# Altium PCB InsaneKeyboard.PcbDoc (part 3 of 4)
Units mil, origin at the board's own origin, x right, y up, seen from the top; angles counter-clockwise.
Board outline 7442.83 x 6333.68 mil, 4 copper layers (Top Layer, Int1 (GND), Int2 (GND), Bottom Layer), stack 60.6 mil thick; 288 components, 175 nets, 883 pads, 467 vias.
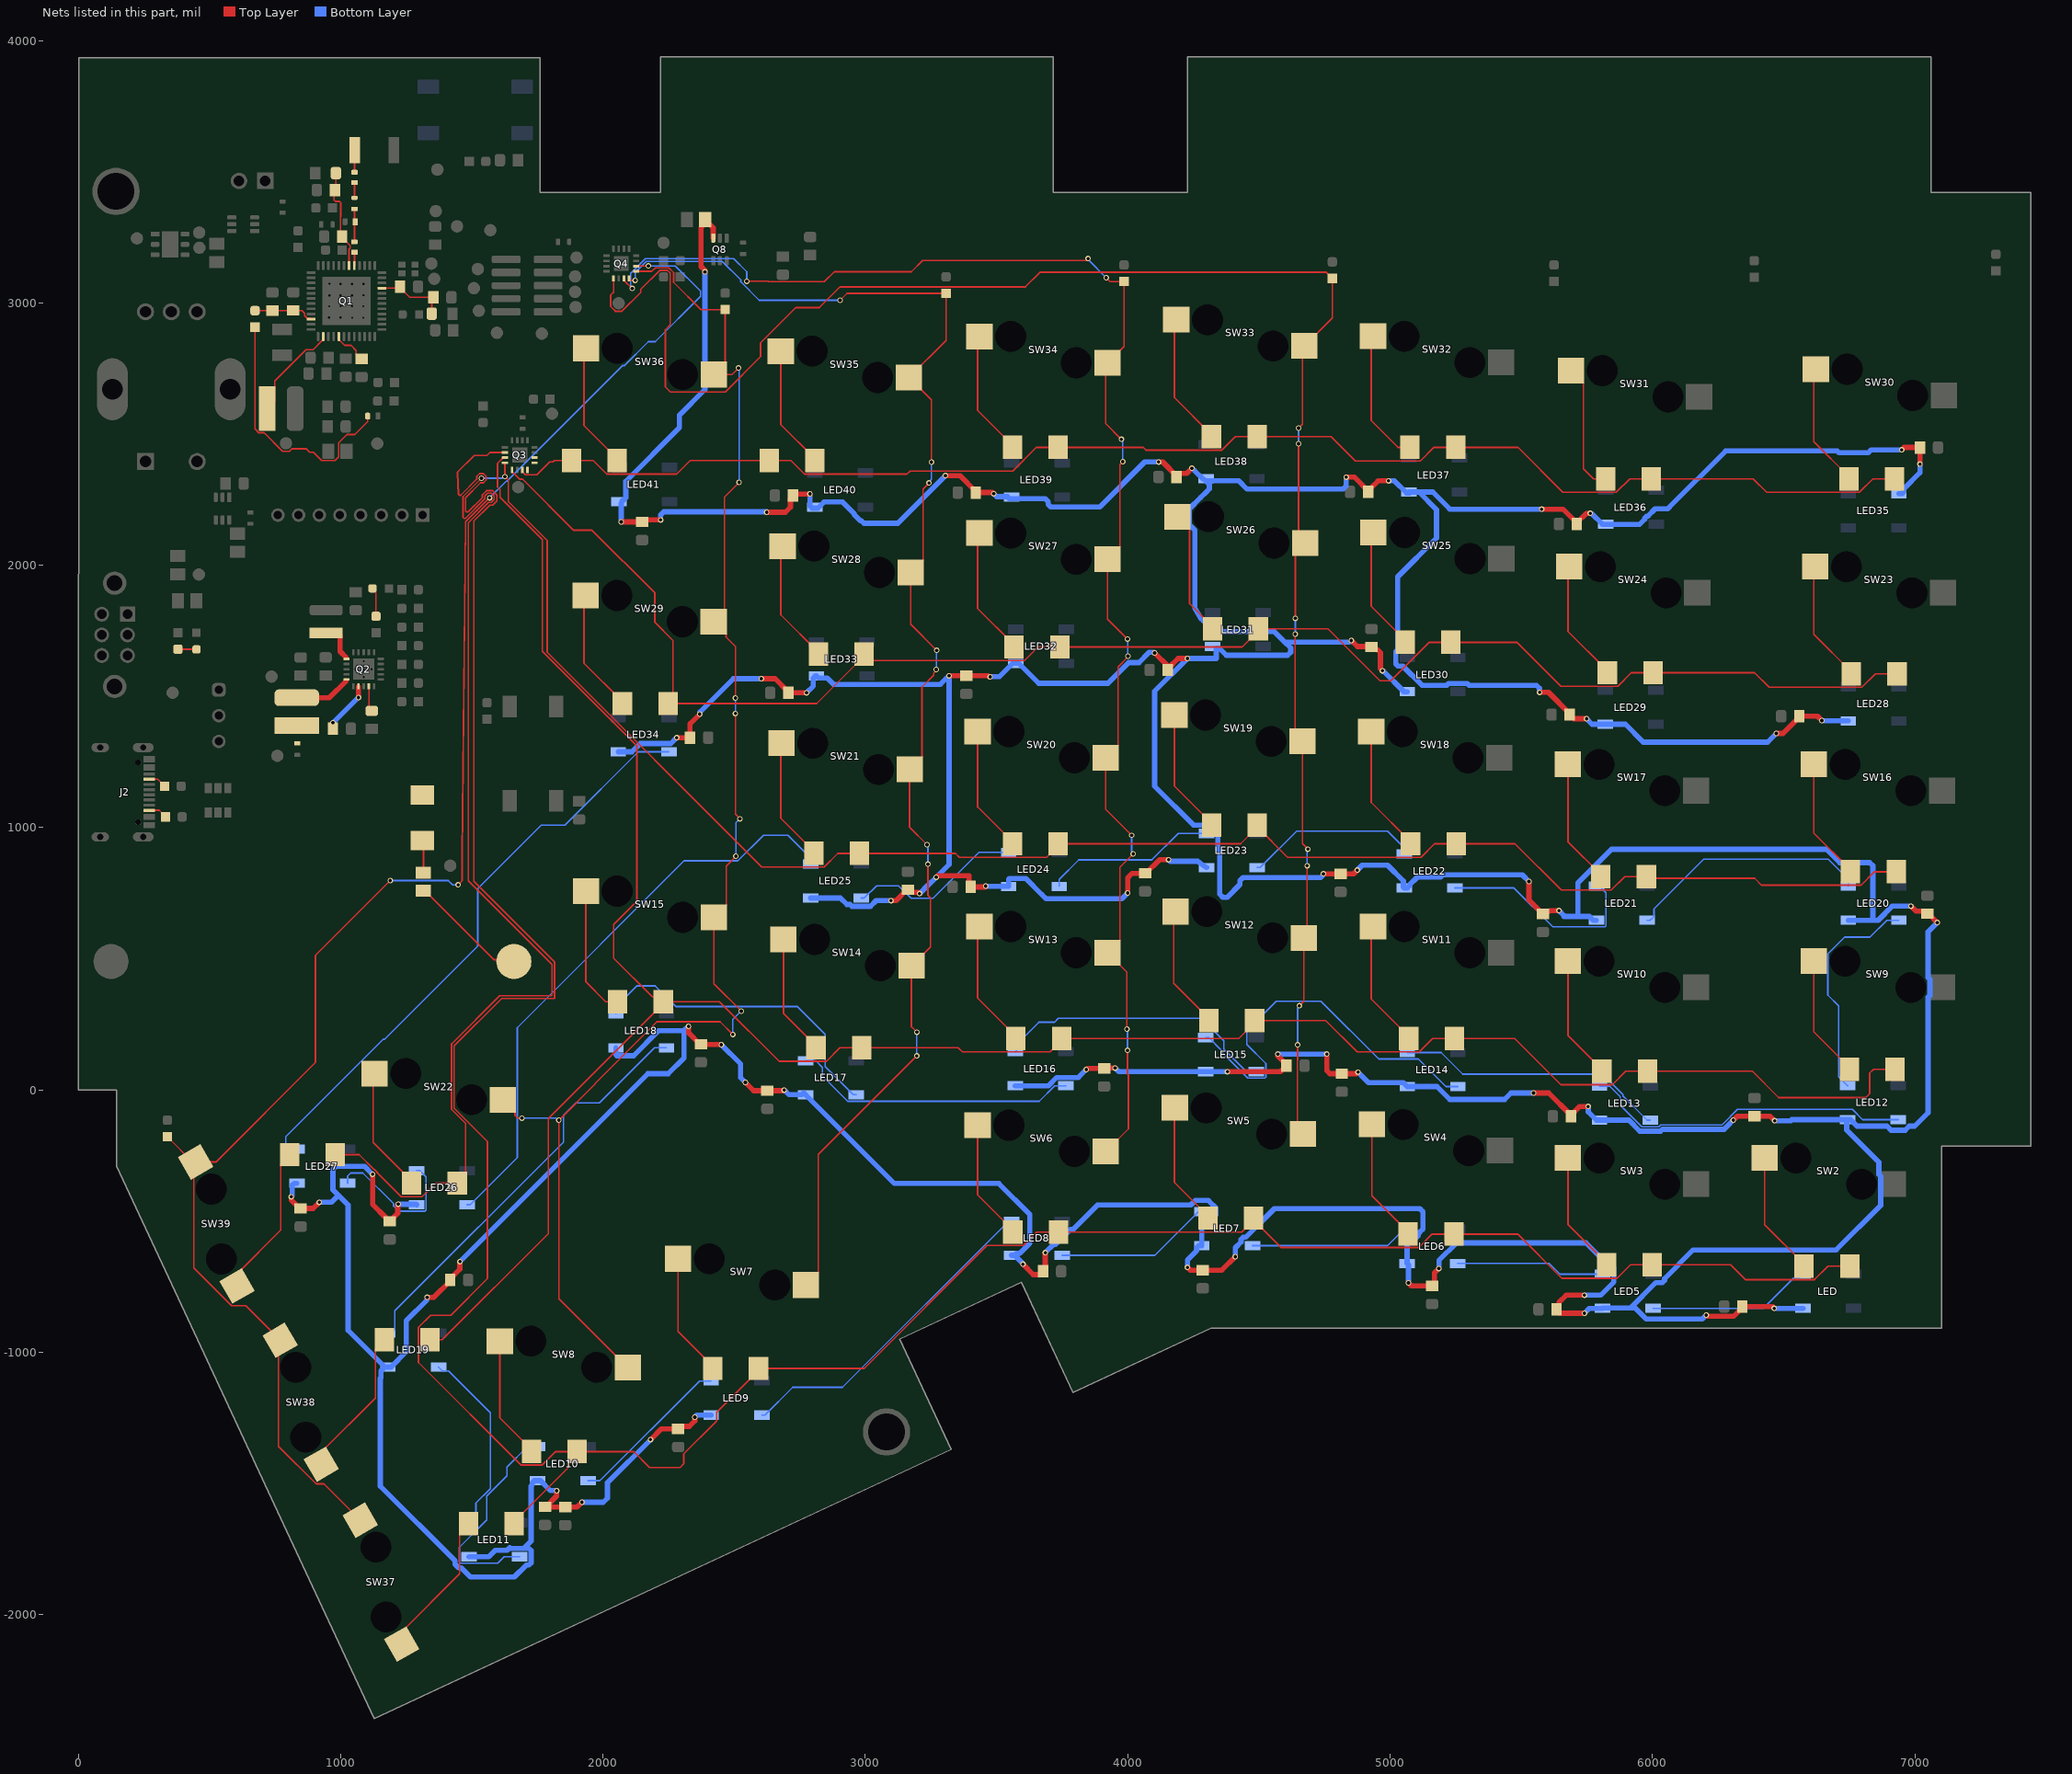
[diagram p5: the nets of this part, all layers, seen from the top]

## Via types
v1: diameter 21, hole 13, Top Layer to Bottom Layer, tented both sides, 292 vias
v2: diameter 21, hole 13, Top Layer to Bottom Layer, 174 vias
v3: diameter 23, hole 13, Top Layer to Bottom Layer, tented both sides, 1 vias

## Nets (pads, with @x,y where several pads share a name; then routed paths per layer and width w, separated by ;. In a path a pad name is that pad's centre, name@x,y a point inside that pad or via, vN(x,y) a via of type N, cw(c..) or ccw(c..) an arc to the next point about the centre after c; other vN are vias at no path point) (continued)
IO_COL_P3: Q4.5 R21.1 SW5.2 SW12.2 SW19.2 SW26.2 SW33.2 | length 7031.6
  Top Layer w6: Q4.5@2040.47,3093.5 2040.47,3041.05 2029.38,3029.96 2029.38,2986.32 2047.32,2968.38 2072.68,2968.38 2144.38,3040.07 2144.38,3052.02 2216.08,3123.72 2246.93,3123.72 2256.22,3114.43 2256.22,2916.17 2237.95,2897.9 2237.95,2679.42 2255.36,2662 2257.34,2660.95 2259.4,2660.95 2466.19,2660.95 2600.59,2795.35 2600.59,2847.9 2735,2982.3 2824.85,2982.3 2903.77,3061.22 3610.27,3061.22 3665.75,3116.71 4756.8,3116.71 R21.1@4780,3093.5 4780,2942.08 4673.92,2836 SW33.2@4672.94,2836 4665.85,2828.91 4665.85,2537.85 v1(4651,2523) ; v1(4638.64,1737.5) 4638.64,1356.16 4665.85,1328.95 4665.85,939.15 v1(4687,918) ; v1(4639,1798) 4639,2047.06 SW26.2@4676.94,2085 ; v1(4648,172) 4648,114.44 4647.31,113.76 4647.31,-147.38 SW5.2@4667.94,-168 ; v1(4651,2463) 4651,2101.94 SW26.2@4671.94,2081 ; v1(4654,321) 4670.94,337.94 SW12.2@4670.94,580 4684,593.06 v1(4684,855)
  Bottom Layer w6: v1(4638.64,1737.5) 4638.82,1737.68 4638.82,1797.82 v1(4639,1798) ; v1(4648,172) 4648,310.94 4654,316.94 v1(4654,321) ; v1(4651,2463) v1(4651,2523) ; v1(4684,855) 4684,910.94 4687,913.94 v1(4687,918)
IO_COL_P4: Q4.7 R22.1 SW6.2 SW13.2 SW20.2 SW27.2 SW34.2 | length 5760.1
  Top Layer w6: Q4.7@2079.84,3093.5 2079.84,3086.81 2111.65,3055 v1(2112,3055) ; v1(2548,3082.5) 2630.03,3082.5 2631.66,3080.87 2843.9,3080.87 2882.03,3119 3175.5,3119 3218,3161.5 v1@3845.5,3161.5 ; SW6.2@3916.83,-233.96 4003,-147.79 4003,57.75 3999,61.75 v1(3999,151) ; v1(3918,3096) 3932.5,3081.5 R22.1@3986,3081.5 3986,2834.08 3923.92,2772 SW34.2@3922.94,2772 3915.84,2764.9 3915.84,2540.16 v1(3976,2480) ; SW13.2@3922.91,522.88 SW13.2@3923.9,522.88 ; v1(3981,2395) 3981,2394.87 3970.11,2383.99 3970.11,2069.1 3923.9,2022.89 SW27.2@3922.92,2022.89 3922.92,1795.08 v1(3999,1719) ; v1(3997,232.16) 3997,449.78 SW13.2@3923.9,522.88 ; v1(4001,1653.35) 4001,1651 3963.04,1613.04 3963.04,1312.26 3916.83,1266.05 SW20.2@3915.84,1266.05 3915.84,1070.16 v1(4015,971) ; v1(4021,900) 3970.11,849.11 3970.11,569.09 SW13.2@3923.9,522.88
  Bottom Layer w6: v1(2112,3055) 2112,3059.06 2105.53,3065.53 2105.53,3112.42 2161.61,3168.5 2498.5,3168.5 2548,3119 v1(2548,3082.5) ; v1(3849.02,3169) 3849.02,3164.98 v1(3918,3096) ; v1(3976,2480) 3976,2475.94 3981,2470.94 v1(3981,2395) ; v1(3997,232.16) 3999,230.16 v1(3999,151) ; v1(3999,1719) 4000,1718 4000,1654.35 v1(4001,1653.35) ; v1(4015,971) 4015,910.06 4021,904.06 v1(4021,900)
IO_COL_P5: Q4.8 R23.1 SW7.2 SW14.2 SW21.2 SW28.2 SW35.2 | length 5578.3
  Top Layer w6: Q4.8@2099.53,3093.5 2099.53,3088.09 2101.65,3085.97 v1(2123.03,3085.97) ; SW7.2@2773.94,-743 2774.92,-743 2821.13,-696.79 2821.13,-244.87 v1(3196,130) ; v1(2904,3010) 2930.5,3036.5 R23.1@3308,3036.5 3308,2857.14 SW35.2@3166.82,2715.96 ; SW35.2@3165.84,2715.96 SW35.2@3166.82,2715.96 ; v1(3196.45,220.55) 3175.94,241.06 SW14.2@3175.94,474 3176.92,474 3248,545.08 3248,732.75 3239,741.75 v1(3239,861) ; v1(3235,935) 3168.94,1001.06 SW21.2@3168.94,1222 3169.92,1222 3216.13,1268.21 3216.13,1536.13 3260.36,1580.36 3260.36,1588.84 3270,1598.48 v1(3270,1602.54) ; v1(3243.05,2313.95) 3220.11,2291.01 3220.11,2019.1 3173.9,1972.89 SW28.2@3172.91,1972.89 3172.91,1775.09 v1(3272,1676) ; v1(3252,2393) 3252,2630.78 SW35.2@3166.82,2715.96
  Bottom Layer w6: v1(2123.03,3085.97) 2123.03,3115.78 2165.75,3158.5 2454.75,3158.5 2525.25,3088 2525.25,3080.5 2595.75,3010 v1(2904,3010) ; v1(3196,130) 3196,220.09 v1(3196.45,220.55) ; v1(3235,935) 3239,931 v1(3239,861) ; v1(3243.05,2313.95) 3243.05,2318.01 3252,2326.96 v1(3252,2393) ; v1(3270,1602.54) 3271,1603.54 3271,1675 v1(3272,1676)
IO_COL_P6: Q4.9 R24.1 SW8.2 SW15.2 SW22.2 SW29.2 SW36.2 | length 5668.8
  Top Layer w6: SW22.2@1617.94,-37 1618.92,-37 1665.13,-83.21 1665.13,-97.19 1674.95,-107 v1(1691,-107) ; SW8.2@2094.82,-1057.07 2093.83,-1057.07 1832,-795.24 v1(1832,-115) 1970.69,23.69 1970.69,25.34 2205.84,260.5 2446.5,260.5 v1(2495,212) ; Q4.9@2126.5,3120.47 2186.57,3120.47 2199.81,3133.72 2251.07,3133.72 2269.78,3115.01 2269.78,3078.38 2373.66,2974.5 R24.1@2466,2974.5 2466,2770.06 SW36.2@2422.94,2727 2492,2727 v1(2517,2752) ; v1(2505,1435) 2505,1051 v1(2522,1034) ; v1(2505,1494) 2505,1690.37 2469.13,1726.23 2469.13,1738.79 2422.92,1785 SW29.2@2421.94,1785 2463.03,1826.09 2463.03,2260.03 v1(2519,2316) ; v1(2507,891) 2470.13,854.13 2470.13,704.21 2423.92,658 SW15.2@2422.94,658 2422.94,405.06 v1(2527,301)
  Bottom Layer w6: v1(1691,-107) 1820.99,-107 1828.99,-115 v1(1832,-115) ; v1(2495,212) 2495,269 v1(2527,301) ; v1(2505,1435) v1(2505,1494) ; v1(2507,891) 2507,1019 v1(2522,1034) ; v1(2517,2752) 2519,2750 v1(2519,2316)
IO_COL_P7: Q4.10 R25.1 SW37.2 SW38.2 SW39.2 | length 6466.1
  Top Layer w6: R25.1@340,-177.99 436.5,-274.49 524.38,-274.49 904.27,105.4 904.27,513.27 v2(1189.44,798.44) ; SW39.2@444.87,-277.28 441.08,-281.07 441.08,-678.58 584.58,-822.08 638.25,-822.08 SW38.2@769.67,-953.49 763.08,-960.07 763.08,-1357.58 906.58,-1501.08 936.86,-1501.08 SW37.2@1075.13,-1639.35 ; v2(1448,782) 1463.62,797.62 1463.62,892.68 1477,2166 v1(1568,2257) ; Q4.10@2126.5,3140.16 2126.92,3140.58 2172.58,3140.58 v1(2173,3141)
  Bottom Layer w6: v2(1189.44,798.44) 1410.5,798.44 1426.94,782 v2(1448,782) ; v1(1568,2257) 1631.5,2320.5 1633.75,2320.5 2074.2,2760.94 2081.36,2760.94 2173,2852.58 2199.63,2852.58 2372,3024.96 2372,3045.04 2276.04,3141 v1(2173,3141)
IO_ROW_P0: D3.1 D4.1 D5.1 D6.1 D7.1 D8.1 D9.1 D38.1 Q3.2 | length 11427.2
  Top Layer w6: Q3.2@1626.5,2429.84 1569.23,2429.84 1557.89,2418.5 1509.42,2418.5 1445.96,2355.04 1445.96,2352.42 1449.59,2270.51 1453,2267.11 1457.97,2267.11 1519.5,2328.64 1519.5,2339.25 1529.75,2349.5 1544.25,2349.5 1554.5,2339.25 1554.5,2324.75 1544.25,2314.5 1533.64,2314.5 1477,2257.86 1477,2206.28 1480.51,2202.77 1485.49,2202.77 1540.5,2257.78 1540.5,2268.39 1556.61,2284.5 1579.39,2284.5 1595.5,2268.39 1595.5,2245.61 1579.39,2229.5 1568.78,2229.5 1508,2168.72 1508,795.67 1816,487.67 1816,349 1614.25,349 1432.95,167.69 1432.95,-69.03 1560,-196.09 1560,-718.75 1420.25,-858.5 1343.1,-858.5 1297,-904.6 1297,-1038.4 1688.1,-1429.5 1767.9,-1429.5 1819.4,-1378 D9.1@1902,-1378 ; D38.1@1662,-1652 1662,-1644.5 1868,-1438.5 1868,-1412 D9.1@1902,-1378 ; D6.1@4480,-488 D6.1@4480,-495.5 ; D3.1@6752,-671 6669.4,-671 6617.9,-722.5 6353.7,-722.5 6297.2,-666 D4.1@5999,-666 5916.4,-666 5864.9,-717.5 5655.2,-717.5 5486.7,-549 D5.1@5243,-549 5160.4,-549 5108.9,-600.5 4585,-600.5 D6.1@4480,-495.5 ; D9.1@1902,-1378 2117.31,-1378 2177.81,-1438.5 2294.25,-1438.5 2307.76,-1424.99 2307.76,-1387.13 2433.38,-1261.51 2433.38,-1228.12 2593,-1068.5 D8.1@2593,-1061 2995.48,-1061 3463.98,-592.5 3601.9,-592.5 3653.4,-541 D7.1@3736,-541 4434.5,-541 D6.1@4480,-495.5
IO_ROW_P1: D10.1 D11.1 D12.1 D13.1 D14.1 D15.1 D16.1 D39.1 Q3.3 | length 9294.1
  Top Layer w6: D39.1@1341,-952 1387,-952 1791.5,-547.5 1791.5,-109 2230,329.5 D16.1@2230,337 ; Q3.3@1626.5,2410.16 1619.81,2410.16 1598.5,2388.85 1598.5,2298.78 1607.69,2289.59 1607.69,2259.73 1769,2098.43 1769,1672.46 2129,1312.46 2129,719 2041,631 2041,502 2187.51,355.49 2211.51,355.49 D16.1@2230,337 ; D10.1@6925,79 6842.4,79 6827.77,64.37 6827.77,-13.99 6813.14,-28.62 6481.11,-28.62 6380.96,71.53 D11.1@5981.05,71.53 5898.45,71.53 5846.95,20.03 5651.25,20.03 5474.75,196.53 5162.45,196.53 5110.95,145.03 4874.25,145.03 4754.75,264.53 D13.1@4484.05,264.53 4484.05,257.03 4423.55,196.53 D14.1@3748.05,196.53 3748.05,189.03 3704.05,145.03 3370.01,145.03 3354.04,161 2903.4,161 2851.9,109.5 2671.7,109.5 2444.2,337 D16.1@2230,337
IO_ROW_P2: D17.1 D18.1 D19.1 D20.1 D21.1 D22.1 D23.1 D40.1 Q3.4 | length 10654.3
  Top Layer w6: D40.1@980,-246 1070.6,-246 1128.1,-303.5 1129.25,-303.5 1139.5,-313.75 1139.5,-314.9 1231.1,-406.5 1310.9,-406.5 1362.4,-355 D23.1@1445,-355 1477,-313.5 1477,-127.23 1475.24,-125.47 1422.95,-73.17 1422.95,175.95 1606,359 1802,359 1806,363 1806,478 1487,797 1487,2161.86 1564.64,2239.5 1575.25,2239.5 1585.5,2249.75 1585.5,2264.25 1575.25,2274.5 1560.75,2274.5 1550.5,2264.25 1550.5,2253.64 1475.49,2178.63 1470.51,2178.63 1467,2182.14 1467,2262 v1(1537,2332) ; Q3.4@1626.5,2390.47 v1(1626.5,2338) 1639.28,2325.22 1639.28,2242.28 1787.5,2094.07 1787.5,1668.1 2605.1,850.5 2843.9,850.5 2895.4,902 D22.1@2978,902 3344.04,902 3359.01,887.03 3691.05,887.03 3735.05,931.03 D21.1@3735.05,938.53 4430.55,938.53 D20.1@4494.05,1002.03 ; D20.1@4494.05,1009.53 D20.1@4494.05,1002.03 ; D17.1@6929,832 6846.4,832 6794.9,780.5 6416.22,780.5 6389.72,807 5983.58,807 D18.1@5977.05,813.53 5894.45,813.53 5842.95,762.03 5652.75,762.03 5476.25,938.53 5169.45,938.53 5117.95,887.03 4609.05,887.03 D20.1@4494.05,1002.03
  Bottom Layer w6: v1(1537,2332) 1616.44,2332 1622.44,2338 v1(1626.5,2338)
IO_ROW_P3: D24.1 D25.1 D26.1 D27.1 D28.1 D29.1 D30.1 Q3.5 | length 6308.9
  Top Layer w6: Q3.5@1653.47,2363.5 1653.47,2356.81 1681.66,2328.62 1692.75,2328.62 1887.84,2133.53 1958.47,2133.53 2198,1894 2198,1782 2267,1713 2267,1492 D30.1@2248,1473 2814.5,1473 2995,1653.5 D29.1@2995,1661 3018.97,1637.03 3606.95,1637.03 3658.45,1688.53 4436.03,1688.53 4498,1750.5 D27.1@4498,1758 4763.49,1758 4961.49,1560 5002.92,1560 5149.45,1706.53 D26.1@5232.05,1706.53 5483.25,1706.53 5650.75,1539.03 5867.95,1539.03 5919.45,1590.53 6389.25,1590.53 6444.75,1535.03 6797.95,1535.03 6849.45,1586.53 D24.1@6932.05,1586.53
IO_ROW_P4: D31.1 D32.1 D33.1 D34.1 D35.1 D36.1 D37.1 Q3.7 | length 5591
  Top Layer w6: Q3.7@1692.84,2363.5 1692.84,2356.81 1704.96,2344.69 1748.33,2344.69 1797.58,2393.95 1809.62,2393.95 1814.67,2399 D37.1@1880,2399 1962.6,2399 2014.1,2347.5 2281.3,2347.5 2332.8,2399 D36.1@2634,2399 2716.6,2399 2768.1,2347.5 3159.26,2347.5 3170.77,2359.01 3561.93,2359.01 3652.45,2449.53 D35.1@3735.05,2449.53 4058.75,2449.53 4069.25,2439.03 4358.95,2439.03 4410.45,2490.53 4775.25,2490.53 4867.75,2398.03 5115.95,2398.03 5167.45,2449.53 5487.25,2449.53 5658.75,2278.03 5861.95,2278.03 5913.45,2329.53 6383.75,2329.53 6435.25,2278.03 6788.95,2278.03 6840.45,2329.53 D31.1@6923.05,2329.53
IO_ROW_P5: Q3.8
IO_ROW_P6: Q3.9
IO_ROW_P7: Q3.10
LED_PWR: C30.1 C31.1 C32.1 C33.1 C34.1 C35.1 C36.1 C37.1 C38.1 C39.1 C40.1 C41.1 C42.1 C43.1 C44.1 C45.1 C46.1 C47.1 C48.1 C49.1 C50.1 C51.1 C52.1 C53.1 C54.1 C55.1 C56.1 C57.1 C58.1 C59.1 C60.1 C61.1 C62.1 C63.1 C64.1 C65.1 C66.1 C67.1 C68.1 LED5.1-VDD LED6.1-VDD LED7.1-VDD LED8.1-VDD LED9.1-VDD LED10.1-VDD LED11.1-VDD LED12.1-VDD LED13.1-VDD LED14.1-VDD LED15.1-VDD LED16.1-VDD LED17.1-VDD LED18.1-VDD LED19.1-VDD LED20.1-VDD LED21.1-VDD LED22.1-VDD LED23.1-VDD LED24.1-VDD LED25.1-VDD LED26.1-VDD LED27.1-VDD LED28.1-VDD LED29.1-VDD LED30.1-VDD LED31.1-VDD LED32.1-VDD LED33.1-VDD LED34.1-VDD LED35.1-VDD LED36.1-VDD LED37.1-VDD LED38.1-VDD LED39.1-VDD LED40.1-VDD LED41.1-VDD LED.1-VDD Q8.6 | length 41296.7
  Top Layer w20: v2(812,-407) 812.19,-407.19 812.19,-419.68 844.06,-451.55 C56.1@848,-451.55 895.45,-451.55 v2(919,-428) ; v2(1122,-321) 1122,-435.55 1173.38,-486.93 1173.38,-490.87 1183.06,-500.55 C51.1@1187,-500.55 1190.94,-500.55 1200.62,-490.87 1200.62,-486.93 1218,-469.55 1218,-437 v2(1220,-435) ; v2(1330,-790) 1355.49,-790 1417.55,-727.94 C55.1@1417.55,-724 1417.55,-720.06 1454.81,-682.81 1454.81,-654.19 v2(1455,-654) ; C61.1@1779,-1588.55 1782.94,-1588.55 1823.81,-1547.68 1823.81,-1527.19 v2(1824,-1527) ; C61.1@1779.5,-1589.05 1855.5,-1589.05 C68.1@1856,-1589.55 1901.45,-1589.55 v2(1920,-1571) ; v2(2070,2165) C38.1@2149,2165 2157,2173 v2(2220,2173) ; v2(2181.37,-1332.37) 2222.19,-1291.55 C57.1@2287,-1291.55 2296.69,-1281.87 2329.28,-1281.87 2349.81,-1261.34 v2(2349.81,-1247.19) ; v2(2281,1343) C41.1@2332.1,1343 2332.1,1396.1 v2(2369,1433) ; v2(2326,243) 2326.19,242.81 2326.19,217.77 2369.06,174.9 C54.1@2373,174.9 2374.71,173.19 2450.81,173.19 v2(2451,173) ; v2(2389,3118) 2388.81,3118.19 2388.81,3124.29 2374,3139.1 2374,3286.35 2376.81,3289.16 2376.81,3298.06 C30.1@2389.65,3310.9 ; C30.1@2389.65,3317 C30.1@2389.65,3310.9 ; Q8.6@2420.41,3247.31 2420.41,3286.35 2408.69,3298.06 2402.48,3298.06 C30.1@2389.65,3310.9 ; v2(2543,29) 2574.55,-2.55 C53.1@2627,-2.55 2688.18,-2.55 2690.73,0 v2(2691,0) ; v2(2603.51,1568) 2656.39,1568 2706.45,1517.94 C42.1@2706.45,1514 v2(2776,1514) ; v2(2624,2202) 2695.39,2202 2714.76,2221.38 2714.76,2256.31 C37.1@2724.45,2266 2731.26,2272.81 2732.26,2271.81 2788.81,2271.81 v2(2789,2272) ; v2(3098,722) 3098.19,722.19 3117.25,722.19 3158.06,763 C40.1@3162,763 3171.69,753.31 3201.66,753.31 3206.48,748.5 v2(3206.75,748.5) ; v2(3270,811) 3270.27,811 3276.27,817 3395.28,817 3395.28,780.16 C39.1@3401.45,774 3455.73,774 3458.73,777 v2(3459,777) ; v2(3305.26,2341.51) 3361.19,2341.51 3421.28,2281.42 C36.1@3421.28,2277.48 3484.24,2277.48 3488.73,2273 v2(3489,2273) ; v2(3319,1579) C43.1@3385,1579 3467,1579 3470,1576 3475,1576 v2(3476,1575) ; v2(3601,-664) 3640.41,-703.41 3667.87,-703.41 3677.55,-693.72 C67.1@3677.55,-691 3685.81,-682.74 3685.81,-620.19 v2(3686,-620) ; v2(3842,78) 3842.27,78 3846.72,82.45 C52.1@3910,82.45 3911.36,83.81 3951.81,83.81 v2(3952,84) ; v2(4000,751) 4000,809 4017,826 C50.1@4066,826 4069.94,826 4121.75,877.81 4155.81,877.81 v2(4156,878) ; v2@4102.54,1666.19 4152.45,1616.28 C44.1@4152.45,1601 ; v2(4118,2394) 4118.19,2393.81 4133.12,2393.81 C35.1@4186.21,2340.72 ; C44.1@4158.12,1610.61 4192.32,1644.81 4227.81,1644.81 v2(4228,1645) ; C35.1@4186.21,2336.78 C35.1@4186.21,2340.72 ; v2(4228,-676) 4238.55,-686.55 C66.1@4286,-686.55 4358.45,-686.55 v2(4410,-635) ; v2(4245,2370) 4244.73,2370 4225.13,2350.41 4195.9,2350.41 C35.1@4186.21,2340.72 ; v2(4380,70) 4582.1,70 4591.48,79.38 4595.42,79.38 4605.1,89.06 C58.1@4605.1,93 4605.1,96.94 4572.32,129.72 4572.32,136.85 v2(4572.13,137.04) ; v2(4746,824) C49.1@4811,824 4861,824 v2(4874.83,837.83) ; v2(4759,137.04) 4759,74.16 4770.72,62.45 C65.1@4816,62.45 4872.18,62.45 4877.73,68 v2(4878,68) ; v2(4833,2336) 4833.19,2335.81 4864.58,2335.81 C34.1@4916.45,2283.94 ; v2(4852.39,1713) 4852.66,1713 4875.38,1690.28 4927.27,1690.28 C45.1@4929,1688.55 4938.69,1678.87 4951.28,1678.87 4963,1667.15 4963,1606 v2(4971,1598) ; C34.1@4923.98,2287.53 4923.98,2291.47 4954.32,2321.81 4993.81,2321.81 v2(4994,2322) ; v2(5070,-735) 5070.27,-735 5081.82,-746.55 5161.72,-746.55 5169.4,-738.87 5169.4,-696.87 5186,-680.27 v2(5186,-680) ; v2(5529.15,794.76) 5529.15,724.58 5568.89,684.85 5568.89,680.91 5578.57,671.23 C48.1@5582.51,671.23 5592.19,680.91 5605.03,680.91 5607.85,683.73 5643.02,683.73 5643.1,683.81 5643.92,683.81 v2@5644,683.73 ; v2(5546.95,-11.68) 5605.06,-11.68 C62.1@5689.45,-96.06 ; v2(5570,1516) 5570.19,1515.81 5603.58,1515.81 5684.45,1434.94 C46.1@5684.45,1431 5684.45,1427.06 5694.13,1417.38 5698.07,1417.38 5700.45,1415 v2(5749,1415) ; v2(5578,2214) 5659.21,2214 C33.1@5711.77,2161.44 ; C62.1@5689.45,-100 C62.1@5689.45,-96.06 ; C33.1@5711.77,2157.5 C33.1@5711.77,2161.44 ; v2(5741,-851) 5740.81,-850.81 5655.85,-850.81 5654.66,-849.62 5644.13,-849.62 5634.45,-839.94 C63.1@5634.45,-836 5644.13,-826.31 5644.13,-808.87 5671,-782 v2(5741,-782) ; v2(5755,-63) 5754.81,-63.19 5722.32,-63.19 C62.1@5689.45,-96.06 ; v2(5763,2198) 5762.81,2197.81 5748.14,2197.81 C33.1@5711.77,2161.44 ; v2(6205,-858) 6205.27,-858 6209.89,-862.62 6308.76,-862.62 6342.45,-828.94 C59.1@6342.45,-825 6457,-825 v2(6464,-832) ; v2(6308,-115) 6308.27,-115 6323.82,-99.45 C60.1@6389,-99.45 6448.18,-99.45 6465.73,-117 v2(6466,-117) ; v2(6472,1359.32) 6472.19,1359.51 6497.9,1359.51 6563.39,1425 6628.73,1425 6645.73,1408 v2(6646,1408) ; v2(6950,2440) 6959,2449 C32.1@7019.55,2449 v2(7019.55,2385.45) ; v2(6985,701) 6985.27,701 7004.59,681.69 7038.31,681.69 C47.1@7048,672 7051.94,672 v2(7085.86,638.07)
  Bottom Layer w20: v2(812,-407) 812,-406.73 815.81,-402.92 815.81,-362.92 823.52,-355.2 LED27.1-VDD@833.74,-355.2 ; v2(919,-428) 965,-428 991.76,-401.24 ; v2(1122,-321) 1091.9,-290.9 982.72,-290.9 971,-302.62 971,-380.48 991.76,-401.24 ; v2(1220,-435) 1220.19,-435.19 1287.77,-435.19 LED26.1-VDD@1289.54,-436.96 ; v2(1330,-790) 1329.81,-790.19 1329.81,-800.19 1250,-880 1250,-998.31 1192.35,-1055.96 LED19.1-VDD@1180.54,-1055.96 LED19.1-VDD@1168.73,-1055.96 ; v2(1455,-654) 2171,62 2249,62 2309,122 2309,225.73 ; LED11.1-VDD@1489.54,-1778.96 1565.04,-1778.96 1589.76,-1754.24 1634.4,-1754.24 1644.26,-1744.38 ; 1647.13,-1747.24 1697.76,-1747.24 ; v2(1824,-1527) 1823.81,-1526.81 1800.2,-1526.81 1762.35,-1488.96 LED10.1-VDD@1750.54,-1488.96 1738.73,-1488.96 1731.02,-1496.68 1731.02,-1504.39 1725.98,-1509.43 1725.98,-1719.02 1697.76,-1747.24 ; v2(1920,-1571) 2001,-1571 2017,-1555 2017,-1496.74 v2(2181.37,-1332.37) ; LED18.1-VDD@2049.54,161.04 2049.54,134.32 2053.06,130.81 2116.91,130.81 2212.11,226 2309.27,226 2326,242.73 v2(2326,243) ; LED34.1-VDD@2058.54,1289.04 2110.57,1289.04 2142.28,1320.76 2258.49,1320.76 2280.73,1343 v2(2281,1343) ; LED41.1-VDD@2069.81,2235.32 2069.81,2165.19 v2(2070,2165) ; LED41.1-VDD@2072.35,2243.04 2087.07,2257.76 2087.07,2320.07 2291.35,2524.35 2291.35,2572.35 2389,2670 v2(2389,3118) ; v2(2220,2173) 2220,2192.28 2231.72,2204 v2@2624,2204 ; v2(2349.81,-1247.19) 2350.08,-1247.19 2358.31,-1238.96 LED9.1-VDD@2412.54,-1238.96 ; v2(2369,1433) 2369,1440 2497,1568 v2(2603.51,1568) ; v2(2451,173) 2525,99 2525,47 v2(2543,29) ; v2(2691,0) 2691.27,0 2709.23,-17.96 2757.83,-17.96 2765.18,-10.6 LED17.1-VDD@2772.54,-17.96 3110.62,-356.04 3509.04,-356.04 3627,-474 3627,-584 3588.76,-622.24 3577.07,-622.24 LED8.1-VDD@3569.35,-629.96 ; v2(2776,1514) 2776,1514.27 2801.78,1540.05 2801.78,1570.32 2809.49,1578.04 LED33.1-VDD@2813.54,1578.04 2821.26,1570.32 2854.36,1570.32 2878.36,1546.32 3286.32,1546.32 v2@3318.67,1578.67 ; v2(2789,2272) 2789.19,2271.81 2789.19,2225.76 2796.91,2218.04 2807.54,2218.04 LED40.1-VDD@2811.09,2218.04 ; LED25.1-VDD@2791.54,732.04 2905.12,732.04 2929.84,707.32 2942.13,707.32 2949.13,700.32 3019.78,700.32 3041.46,722 v2(3098,722) ; LED40.1-VDD@2819.35,2218.04 2842.56,2241.24 2913.76,2241.24 2956.93,2198.07 2956.93,2194.52 2981.45,2170 2985,2170 2995,2160 3123.75,2160 v2(3305.26,2341.51) ; v2(3206.75,748.5) 3237.93,779.68 3238.68,779.68 v2(3270,811) 3319,860 v2(3319,1579) ; v2(3459,777) 3459.19,776.81 3545.28,776.81 LED24.1-VDD@3546.09,776 3546.09,802.72 3549.6,806.23 3611.77,806.23 3673.72,744.28 3673.87,744.28 3689.15,729 3978,729 v2(4000,751) ; v2(3476,1575) 3476.19,1575.19 3510.88,1575.19 3561.73,1626.04 LED32.1-VDD@3573.54,1626.04 3585.35,1626.04 3661.39,1550 3924.75,1550 4003.75,1629 4043,1629 4082.86,1668.86 4099.87,1668.86 4102.73,1666 v2(4103,1666) ; v2(3489,2273) 3489.27,2273 3500.51,2261.76 3541.83,2261.76 3549.54,2254.04 3685.31,2254.04 3697.03,2242.32 3697.03,2232.42 3707.13,2222.32 3893.66,2222.32 4065.34,2394 v2(4118,2394) ; LED8.1-VDD@3557.54,-629.96 LED8.1-VDD@3569.35,-629.96 ; LED16.1-VDD@3571.54,16.04 3697.41,16.04 3729.13,47.76 3811.76,47.76 v2(3842,78) ; v2(3601,-664) 3600.81,-663.81 3600.81,-661.41 3575.2,-635.8 LED8.1-VDD@3569.35,-629.96 ; v2(3686,-620) 3718.02,-587.98 3725.4,-587.98 3781.62,-531.76 3791.52,-531.76 3884.95,-438.32 4240.22,-438.32 4257.54,-421 4307.55,-421 4337,-450.45 4337,-475.63 4317.87,-494.76 4316.38,-494.76 4282.54,-528.6 LED7.1-VDD@4282.54,-592.96 4270.73,-592.96 4263.02,-600.68 4263.02,-612.49 4228.19,-647.31 4228.19,-675.81 v2(4228,-676) ; v2(3952,84) 3952.27,84 3966.23,70.04 LED15.1-VDD@4297.54,70.04 ; v2(4156,878) 4162.33,871.67 4266.6,871.67 4288.69,855.76 LED23.1-VDD@4300.54,848.04 ; v2(4245,2370) 4253.3,2362.14 4285.69,2329.76 LED38.1-VDD@4297.54,2322.04 ; LED15.1-VDD@4297.56,70.02 v2(4380,70) ; LED31.1-VDD@4337.55,1676.03 4337.55,1645 v2(4228,1645) 4103,1520 4103,1158 4251.32,1009.68 4335.87,1009.68 4344.07,1001.48 4344.07,916.93 4351.08,909.92 4351.08,746.22 4362.79,734.5 4379.36,734.5 4428.12,783.27 4428.12,798.28 4439.84,810 4735.2,810 v2@4741.05,815.84 ; LED31.1-VDD@4337.55,1683.71 4349.36,1683.71 4376.26,1656.81 4609.45,1656.81 4621.17,1668.52 4621.17,1685.09 4599.59,1706.67 ; v2(4410,-635) 4410.19,-634.81 4410.19,-601.08 4431.93,-579.34 4431.93,-569.45 4440.13,-561.24 4450.03,-561.24 4559.27,-452 5113.28,-452 5125,-463.72 5125,-530 5108.07,-546.93 5108.07,-554.55 5099.87,-562.76 5092.24,-562.76 5064.54,-590.46 LED6.1-VDD@5064.54,-660.96 5069.81,-666.23 5069.81,-734.81 v2(5070,-735) ; v2(4572.13,137.04) v2(4759,137.04) ; v2@4741.08,815.87 4746.92,821.71 4746.92,823.08 v2(4746,824) ; v2(4833,2336) 4833,2302.71 4821.28,2291 4526.46,2291 4525.78,2290.32 4455.13,2290.32 4423.41,2322.04 LED38.1-VDD@4297.54,2322.04 ; v2(4852.39,1713) 4846.06,1706.67 4599.59,1706.67 ; v2(4874.83,837.83) 4894.04,857.04 4990.26,857.04 5050.54,796.76 5050.54,774.04 LED22.1-VDD@5054.54,770.04 5066.35,770.04 5074.07,777.76 5074.07,781.84 5104.03,811.8 5192.43,811.8 5200.63,820 5503.91,820 v2(5529.15,794.76) ; v2(4878,68) 4918.24,27.76 5050.83,27.76 LED14.1-VDD@5065.54,13.04 5179.12,13.04 5228.16,-36 5436.85,-36 5461.17,-11.68 v2(5546.95,-11.68) ; v2(4971,1598) 4971.19,1597.81 4973.96,1597.81 5053.73,1518.04 LED30.1-VDD@5065.54,1518.04 ; v2(4994,2322) 4994.19,2321.81 5016.96,2321.81 5062.73,2276.04 LED37.1-VDD@5074.54,2276.04 ; LED37.1-VDD@5071.54,2279.04 5109.96,2279.04 ; v2(5186,-680) 5186.19,-679.81 5186.19,-649.81 5253.68,-582.32 5746.97,-582.32 5834.97,-670.32 5844.87,-670.32 5853.07,-678.52 5853.07,-731.93 5803,-782 v2(5741,-782) ; v2(5570,1516) 5569.81,1516.19 5569.81,1530.73 5557.78,1542.76 5300.78,1542.76 5293.78,1549.76 5223.13,1549.76 5216.13,1542.76 5122.01,1542.76 5048.52,1616.24 5030.22,1616.24 5022.02,1624.45 5022.02,1671.48 5029.02,1678.48 5029.02,1956.02 5177,2104 5177,2212 5109.96,2279.04 ; v2(5578,2214) 5228,2214 5162.96,2279.04 5109.96,2279.04 ; v2(5644,684) 5644,683.73 5662.15,665.58 5662.15,661.76 5716,661.76 ; v2(5741,-851) 5760.04,-831.96 LED5.1-VDD@5809.54,-831.96 ; v2(5749,1415) 5769.96,1394.04 LED29.1-VDD@5820.54,1394.04 5896.96,1394.04 5965,1326 6438.68,1326 v2(6472,1359.32) ; v2(5755,-63) 5755.19,-63.19 5755.19,-83.42 5786.73,-114.96 LED13.1-VDD@5798.54,-114.96 5910.27,-114.96 5951.99,-156.68 6030.93,-156.68 6037.93,-149.68 6273.32,-149.68 6285.31,-137.69 v2(6308,-115) ; v2(5763,2198) 5763.19,2197.81 5767.96,2197.81 5809.73,2156.04 LED36.1-VDD@5821.54,2156.04 5951.25,2156.04 5970.93,2175.72 5970.93,2179.55 5979.13,2187.76 5982.97,2187.76 6010.21,2215 6058,2215 6064,2221 6064.33,2221 6279.01,2435.68 6704.01,2435.68 6711.01,2428.68 6822.32,2428.68 6833.65,2440 v2(6950,2440) ; LED21.1-VDD@5786.54,647.04 5774.73,647.04 5760.02,661.76 5716,661.76 ; LED5.1-VDD@5810.78,-830.72 5916.28,-830.72 ; v2(6205,-858) 6190,-873 5976.45,-873 5934.17,-830.72 5916.28,-830.72 ; v2(6464,-832) LED.1-VDD@6573.54,-831.96 ; v2(6466,-117) 6526.96,-117 6531,-112.96 LED12.1-VDD@6740.54,-112.96 ; v2(6646,1408) 6646.27,1408 6647.23,1407.04 LED28.1-VDD@6746.54,1407.04 ; LED20.1-VDD@6746.54,647.04 6840,647.04 ; LED35.1-VDD@6939.46,2272.96 6951.27,2272.96 6958.98,2280.68 6958.98,2292.49 7019.36,2352.86 7019.36,2385.26 v2(7019.55,2385.45) ; v2(6985,701) 6914.08,701 6860.12,647.04 6840,647.04 ; v2(7085.86,638.07) 7050.48,602.69 7050.48,428.3 7057.48,421.3 7057.48,360.78 7050.48,353.78 7050.48,-86.52 6999.32,-137.68 6978.78,-137.68 6963.46,-153 6909.45,-153 6894.13,-137.68 6780.07,-137.68 6755.35,-112.96 LED12.1-VDD@6743.54,-112.96 LED12.1-VDD@6740.54,-112.96 ; 991.76,-401.24 1028.51,-437.99 1028.51,-915.74 LED19.1-VDD@1168.73,-1055.96 ; LED19.1-VDD@1168.73,-1055.96 1154.02,-1070.68 1154.02,-1096.66 1151.54,-1099.13 1151.54,-1509.54 1436.02,-1794.02 1436.02,-1806.62 1450.07,-1820.68 1459.97,-1820.68 1495.3,-1856 1662.56,-1856 1707.88,-1810.68 1717.78,-1810.68 1725.98,-1802.48 1725.98,-1755.45 1717.78,-1747.24 1697.76,-1747.24 ; LED38.1-VDD@4297.54,2322.04 4303.87,2315.71 4311.55,2308.03 4311.55,2291.47 4299.83,2279.75 4277.74,2258.05 4234.94,2215.26 4234.94,2154.74 4255.95,2133.73 4255.95,1838.09 4280.02,1796.45 4288.22,1788.24 4294.58,1783.8 4347.4,1747.45 4558.81,1747.45 4599.59,1706.67 ; 5716,661.76 5716,789.62 5844.05,917.68 6662.97,917.68 6713.65,867 6828.28,867 6840,855.28 6840,647.04 ; 5916.28,-830.72 6013.24,-733.76 6037.78,-733.76 6045.98,-725.55 6045.98,-718.91 6155.44,-609.45 6700.36,-609.45 6869.98,-439.83 6869.98,-328.7 6862.98,-321.7 6862.98,-313.42 6862.98,-275.12 6740.54,-152.68 LED12.1-VDD@6740.54,-112.96
NetATT1_0: ATT1.FEED L2.2 | length 84.3
  Top Layer w6: L2.2@1053.32,3497.94 1053.32,3580.32 1053.32,3581.32 ATT1.FEED@1054,3582
NetBT2_P: BT2.P C23.2 | length 456.3
  Top Layer w6: C23.2@1316,759.35 1322.1,759.35 1584.79,496.67 1654.05,496.67 BT2.P@1660.72,490
NetC1_1: C1.1 L1.2 R1.1 | length 127.4
  Top Layer w6: L1.2@1053,3232.68 1053,3305.86 C1.1@1056.36,3309.22 1053,3312.58 R1.1@1053,3357.35
NetC2_1: C2.1 C3.1 L3.2 Q1.9 | length 277.7
  Top Layer w6: Q1.9@1158,3056.31 1220.87,3056.31 1224.58,3060.03 C2.1@1226.55,3062 ; C2.1@1226.55,3058.06 1263.61,3021 C3.1@1353.55,3021 1347.63,3015.08 L3.2@1347.63,2959
NetC4_1: C4.1 C5.1 L4.2 Q1.18 | length 396.5
  Top Layer w6: C4.1@978.45,3430 C4.1@975.45,3427 ; L4.2@982.37,3495 982.37,3433.92 C4.1@975.45,3427 ; Q1.18@1032.61,3142.34 1032.61,3204.67 1036.4,3208.47 1036.4,3218.87 1006.21,3249.06 C5.1@1006.21,3253 1000.15,3259.07 1000.15,3327.54 1000.76,3328.15 1000.76,3382.07 996.11,3386.72 980.1,3386.72 975.45,3391.38 C4.1@975.45,3427
NetC10_1: C10.1 C11.1 Q1.34 R5.2 | length 233.2
  Top Layer w6: R5.2@674,2970.5 739.94,2970.5 C10.1@740,2970.55 819.45,2970.55 C11.1@820,2971.1 852.62,2971.1 863.11,2960.62 863.11,2950.81 873.6,2940.32 885.41,2940.32 Q1.34@887.53,2938.2
NetC12_1: C12.1 Q1.41 | length 126.2
  Top Layer w6: Q1.41@993.24,2860.05 995.35,2857.94 1015.1,2838.19 1039.63,2838.19 1059.38,2818.44 1059.38,2803.13 1076.06,2786.45 C12.1@1080,2786.45
NetC17_1: C17.1 D1.1 L8.1 Q2.2 R13.1 | length 178.5
  Top Layer w20: Q2.2@1068.41,1537.23 1068.41,1496.09 v1(1068.5,1496)
  Bottom Layer w20: v1(971,1400) 1066.81,1495.81 1068.31,1495.81 v1(1068.5,1496)
NetC18_2: C18.2 Q2.4 | length 102.7
  Top Layer w6: Q2.4@1107.68,1539.04 1108.4,1538.32 1108.4,1452.86 C18.2@1119.9,1441.36
NetC23_1: C23.1 D1.2 | length 124
  Top Layer w6: D1.2@1312,951 1316,947 C23.1@1316,828.65
NetD3_2: D3.2 SW2.1 | length 474.2
  Top Layer w6: SW2.1@6427.99,-258.96 6427.99,-513.49 6578,-663.5 D3.2@6578,-671
NetD4_2: D4.2 SW3.1 | length 467.9
  Top Layer w6: SW3.1@5677.98,-258.96 5677.98,-511.48 5825,-658.5 D4.2@5825,-666
NetD5_2: D5.2 SW4.1 | length 475.1
  Top Layer w6: SW4.1@4931.06,-131 4931.06,-403.56 5069,-541.5 D5.2@5069,-549
NetD6_2: D6.2 SW5.1 | length 473.9
  Top Layer w6: SW5.1@4180.06,-68 4177.97,-70.09 4177.97,-352.47 4306,-480.5 D6.2@4306,-488
NetD7_2: D7.2 SW6.1 | length 462.6
  Top Layer w6: SW6.1@3427.97,-133.96 3427.97,-399.47 3562,-533.5 D7.2@3562,-541
NetD8_2: D8.2 SW7.1 | length 473.1
  Top Layer w6: SW7.1@2286.06,-643 2286.06,-920.56 2419,-1053.5 D8.2@2419,-1061
NetD9_2: D9.2 SW8.1 | length 471.1
  Top Layer w6: SW8.1@1606.94,-957.07 1606.94,-1249.44 1728,-1370.5 D9.2@1728,-1378
NetD10_2: D10.2 SW9.1 | length 468.2
  Top Layer w6: SW9.1@6615.49,491.04 6615.49,222.01 6751,86.5 D10.2@6751,79
NetD11_2: D11.2 SW10.1 | length 473
  Top Layer w6: SW10.1@5677.98,491.04 5677.98,208.09 5807.05,79.03 D11.2@5807.05,71.53
NetD12_2: D12.2 SW11.1 | length 488.5
  Top Layer w6: SW11.1@4935.05,622.88 4927.98,615.8 4927.98,347.1 5071.05,204.03 D12.2@5071.05,196.53
NetD13_2: D13.2 SW12.1 | length 474.6
  Top Layer w6: SW12.1@4183.06,680 4175.17,672.11 4175.17,406.9 4310.05,272.03 D13.2@4310.05,264.53
NetD14_2: D14.2 SW13.1 | length 489.8
  Top Layer w6: SW13.1@3435.04,622.88 3427.97,615.8 3427.97,350.11 3574.05,204.03 D14.2@3574.05,196.53
NetD15_2: D15.2 SW14.1 | length 464.3
  Top Layer w6: SW14.1@2688.06,574 2688.06,292.44 2812,168.5 D15.2@2812,161
NetD16_2: D16.2 SW15.1 | length 498
  Top Layer w6: SW15.1@1935.06,758 1935.06,411.94 2010,337 D16.2@2056,337
NetD17_2: D17.2 SW16.1 | length 466.8
  Top Layer w6: SW16.1@6615.49,1241.05 6615.49,979.01 6755,839.5 D17.2@6755,832
NetD18_2: D18.2 SW17.1 | length 479.3
  Top Layer w6: SW17.1@5677.98,1241.05 5677.98,946.09 5803.05,821.03 D18.2@5803.05,813.53
NetD19_2: D19.2 SW18.1 | length 489.7
  Top Layer w6: SW18.1@4927.98,1366.05 4927.98,1096.1 5078.05,946.03 D19.2@5078.05,938.53
NetD20_2: D20.2 SW19.1 | length 478.3
  Top Layer w6: SW19.1@4177.97,1428.95 4177.97,1159.1 4320.05,1017.03 D20.2@4320.05,1009.53
NetD21_2: D21.2 SW20.1 | length 482.6
  Top Layer w6: SW20.1@3427.97,1366.05 3427.97,1079.11 3561.05,946.03 D21.2@3561.05,938.53
NetD22_2: D22.2 SW21.1 | length 473.5
  Top Layer w6: SW21.1@2681.06,1322 2677.96,1318.9 2677.96,1035.54 2804,909.5 D22.2@2804,902
NetD23_2: D23.2 SW22.1 | length 481.6
  Top Layer w6: SW22.1@1130.06,63 1123.75,56.69 1123.75,-200.25 1271,-347.5 D23.2@1271,-355
NetD24_2: D24.2 SW23.1 | length 469.4
  Top Layer w6: SW23.1@6620.06,1995 6615.49,1990.43 6615.49,1736.59 6758.05,1594.03 D24.2@6758.05,1586.53
NetD25_2: D25.2 SW24.1 | length 468.7
  Top Layer w6: SW24.1@5683.06,1995 5677.98,1989.92 5677.98,1748.09 5828.05,1598.03 D25.2@5828.05,1590.53
NetD26_2: D26.2 SW25.1 | length 475.7
  Top Layer w6: SW25.1@4936.06,2125 4927.98,2116.92 4927.98,1844.1 5058.05,1714.03 D26.2@5058.05,1706.53
NetD27_2: D27.2 SW26.1 | length 483.5
  Top Layer w6: SW26.1@4189.06,2185 4190.05,2185 4236.26,2138.79 4236.26,1853.24 4324,1765.5 D27.2@4324,1758
NetD28_2: D28.2 SW27.1 | length 494.9
  Top Layer w6: SW27.1@3435.04,2122.89 3427.97,2115.81 3427.97,1835.11 3567.05,1696.03 D28.2@3567.05,1688.53
NetD29_2: D29.2 SW28.1 | length 474.1
  Top Layer w6: SW28.1@2685.04,2072.89 2677.96,2065.81 2677.96,1811.54 2821,1668.5 D29.2@2821,1661
NetD30_2: D30.2 SW29.1 | length 475
  Top Layer w6: SW29.1@1934.06,1885 1927.96,1878.89 1927.96,1626.54 2074,1480.5 D30.2@2074,1473
NetD31_2: D31.2 SW30.1 | length 475.9
  Top Layer w6: SW30.1@6623.06,2747 6615.49,2739.43 6615.49,2470.59 6749.05,2337.03 D31.2@6749.05,2329.53
NetD32_2: D32.2 SW31.1 | length 494.7
  Top Layer w6: SW31.1@5690.06,2742 5691.05,2742 5737.26,2695.79 5737.26,2368.32 5776.05,2329.53 D32.2@5822.05,2329.53
NetD33_2: D33.2 SW32.1 | length 514.6
  Top Layer w6: SW32.1@4935.05,2872.89 4927.98,2865.82 4927.98,2551.6 5030.05,2449.53 D33.2@5076.05,2449.53
NetD34_2: D34.2 SW33.1 | length 506.8
  Top Layer w6: SW33.1@4185.06,2936 4177.97,2928.91 4177.97,2639.1 4319.05,2498.03 D34.2@4319.05,2490.53
NetD35_2: D35.2 SW34.1 | length 480.5
  Top Layer w6: SW34.1@3435.06,2872 3427.97,2864.9 3427.97,2590.11 3561.05,2457.03 D35.2@3561.05,2449.53
NetD36_2: D36.2 SW35.1 | length 470.8
  Top Layer w6: SW35.1@2677.96,2815.96 2677.96,2536.54 2808,2406.5 D36.2@2808,2399
NetD37_2: D37.2 SW36.1 | length 483.2
  Top Layer w6: SW36.1@1935.06,2827 1927.96,2819.89 1927.96,2532.54 2054,2406.5 D37.2@2054,2399
NetD38_2: D38.2 SW37.1 | length 565.7
  Top Layer w6: SW37.1@1232.47,-2111.86 1232.47,-2065.54 1454,-1844.01 1454,-1686 D38.2@1488,-1652
NetD39_2: D39.2 SW38.1 | length 573.4
  Top Layer w6: SW38.1@927,-1426 927,-1379.69 1133,-1173.69 1133,-986 D39.2@1167,-952
NetD40_2: D40.2 SW39.1 | length 584.3
  Top Layer w6: SW39.1@605,-747 605,-700.69 772,-533.69 772,-280 D40.2@806,-246
NetJ2_A5: J2.A5 R9.1 | length 69.4
  Top Layer w6: J2.A5@271,1184.37 303.28,1184.37 R9.1@329.5,1158.16
NetJ2_B5: J2.B5 R10.1 | length 72.9
  Top Layer w6: J2.B5@271,1066.26 308.39,1066.26 R10.1@333.5,1041.16
NetL1_1: L1.1 Q1.17 | length 54.7
  Top Layer w6: Q1.17@1052.29,3142.34 1053.3,3143.35 L1.1@1053.3,3193.31 ; L1.1@1053,3193.31 L1.1@1053.3,3193.31 ; L1.1@1056.35,3193.31 L1.1@1053.3,3193.31
NetL2_1: L2.1 R1.2 | length 58
  Top Layer w6: R1.2@1053,3400.65 1053,3458.25 L2.1@1053.32,3458.57
NetL5_1: L5.1 Q1.38 | length 379
  Top Layer w6: L5.1@721,2597 749.5,2625.5 749.5,2702.39 868.73,2821.62 895.75,2821.62 932.06,2857.94 932.06,2869.75 Q1.38@934.18,2871.87
NetL6_2: L6.2 R5.1 | length 991.1
  Top Layer w6: R5.1@674,2907.5 674,2520.44 682.5,2511.94 682.5,2509.45 686.6,2505.35 708.34,2505.35 779.32,2434.38 804.68,2434.38 814.68,2444.38 868.87,2444.38 882.75,2430.5 896.18,2430.5 927.62,2399.06 979.09,2399.06 992.81,2412.79 992.81,2466.84 1024.35,2498.38 1054.29,2498.38 1103.32,2547.4 L6.2@1103.32,2569
NetL7_1: L7.1 Q2.16 | length 150.7
  Top Layer w20: L7.1@945,1742.39 988.31,1742.39 997.99,1732.7 997.99,1671.88 1021.23,1648.65
NetL8_2: L8.2 Q2.20 | length 214.8
  Top Layer w20: L8.2@833,1495.3 957.17,1495.3 1021.23,1559.35
NetLED1_A: LED1.A R8.2 | length 71.2
  Top Layer w6: R8.2@380,1680 380.25,1679.75 450.75,1679.75 LED1.A@451,1679.5
NetLED4_A: LED4.A R18.2 | length 112.1
  Top Layer w6: LED4.A@1121.5,1912 1121.5,1909.36 1135,1895.87 R18.2@1135,1805.5
NetLED5_2-DOUT: LED5.2-DOUT LED6.4-DIN | length 569.1
  Bottom Layer w6: LED6.4-DIN@5257.46,-660.96 5606.07,-660.96 5647.15,-702.04 LED5.2-DOUT@5809.54,-702.04
NetLED5_4-DIN: LED5.4-DIN LED.2-DOUT | length 624.9
  Bottom Layer w6: LED5.4-DIN@6002.46,-831.96 6422.09,-831.96 6537.3,-716.76 6558.83,-716.76 LED.2-DOUT@6573.54,-702.04
NetLED6_2-DOUT: LED6.2-DOUT LED7.4-DIN | length 614.7
  Bottom Layer w6: LED7.4-DIN@4475.46,-592.96 4990.81,-592.96 5052.73,-531.04 LED6.2-DOUT@5064.54,-531.04
NetLED7_2-DOUT: LED7.2-DOUT LED8.4-DIN | length 601.2
  Bottom Layer w6: LED8.4-DIN@3750.46,-629.96 4103.81,-629.96 4270.73,-463.04 LED7.2-DOUT@4282.54,-463.04
NetLED8_2-DOUT: LED8.2-DOUT LED9.4-DIN | length 1258.2
  Bottom Layer w6: LED9.4-DIN@2605.46,-1238.96 2617.27,-1238.96 2723.27,-1132.96 2912.81,-1132.96 3545.73,-500.04 LED8.2-DOUT@3557.54,-500.04
NetLED9_2-DOUT: LED9.2-DOUT LED10.4-DIN | length 626.5
  Bottom Layer w6: LED10.4-DIN@1943.46,-1488.96 1988.04,-1488.96 2367.96,-1109.04 LED9.2-DOUT@2412.54,-1109.04
NetLED10_2-DOUT: LED10.2-DOUT LED11.4-DIN | length 827.7
  Bottom Layer w6: LED11.4-DIN@1682.46,-1778.96 1623.82,-1778.96 1599.1,-1803.68 1467.02,-1803.68 1457.12,-1803.68 1453.02,-1799.58 1453.02,-1789.68 1453.02,-1742.71 1557.22,-1638.5 1557.22,-1547.31 1634.62,-1469.92 1634.62,-1436.44 1712.02,-1359.04 LED10.2-DOUT@1750.54,-1359.04
NetLED11_2-DOUT: LED11.2-DOUT LED19.4-DIN | length 729.5
  Bottom Layer w6: LED19.4-DIN@1373.46,-1055.96 1388.17,-1070.68 1411.98,-1070.68 1571,-1229.69 1571,-1519.39 1516.07,-1574.32 1516.07,-1634.32 1501.35,-1649.04 LED11.2-DOUT@1489.54,-1649.04
NetLED12_2-DOUT: LED12.2-DOUT LED20.4-DIN | length 856.9
  Bottom Layer w6: LED12.2-DOUT@6743.54,16.96 6710,50.5 6710,320.5 6668.37,362.13 6668.37,518.4 6732.69,582.72 6829.28,582.72 6893.6,647.04 LED20.4-DIN@6939.46,647.04
NetLED12_4-DIN: LED12.4-DIN LED13.2-DOUT | length 1264.5
  Bottom Layer w6: LED13.2-DOUT@5798.54,14.96 5837.07,14.96 5877.54,-25.51 5877.54,-58.19 5959.03,-139.68 6023.88,-139.68 6030.88,-132.68 6265.57,-132.68 6324.25,-74 6761.73,-74 6800.69,-112.96 LED12.4-DIN@6936.46,-112.96
NetLED13_4-DIN: LED13.4-DIN LED14.2-DOUT | length 1036.2
  Bottom Layer w6: LED14.2-DOUT@5065.54,142.96 5194.39,142.96 5276.85,60.5 5810.15,60.5 5887.54,-16.89 5887.54,-22.85 5979.65,-114.96 LED13.4-DIN@5991.46,-114.96
NetLED14_4-DIN: LED14.4-DIN LED15.2-DOUT | length 1491.3
  Bottom Layer w6: LED15.2-DOUT@4297.54,199.96 4309.35,199.96 4356.45,152.87 4356.45,146.9 4458.03,45.32 4522.88,45.32 4526.98,49.42 4526.98,101.02 4453.93,174.08 4453.93,225.68 4566.75,338.5 4736.61,338.5 4956.87,118.24 5107.39,118.24 5212.6,13.04 LED14.4-DIN@5258.46,13.04
NetLED15_4-DIN: LED15.4-DIN LED16.2-DOUT | length 1088.6
  Bottom Layer w6: LED16.2-DOUT@3571.54,145.96 3575.54,149.96 3575.54,172.68 3661.13,258.26 3720.62,258.26 3736.03,273.68 4280.97,273.68 4366.45,188.2 4366.45,155.52 4451.93,70.04 LED15.4-DIN@4490.46,70.04
NetLED16_4-DIN: LED16.4-DIN LED17.2-DOUT | length 1099.4
  Bottom Layer w6: LED17.2-DOUT@2772.54,111.96 2811.07,111.96 2836.83,86.2 2836.83,53.52 2933.03,-42.68 3662.74,-42.68 3721.46,16.04 LED16.4-DIN@3764.46,16.04
NetLED17_4-DIN: LED17.4-DIN LED18.2-DOUT | length 1219.2
  Bottom Layer w6: LED18.2-DOUT@2049.54,290.96 2049.54,317.68 2128.61,396.74 2199.53,396.74 2277.77,318.5 2740.15,318.5 2846.83,211.82 2846.83,88.85 2953.65,-17.96 LED17.4-DIN@2965.46,-17.96
NetLED18_4-DIN: LED18.4-DIN LED19.2-DOUT | length 1613.4
  Bottom Layer w6: LED19.2-DOUT@1180.54,-926.04 1192.35,-926.04 1207.07,-911.32 1207.07,-841.32 1849.5,-198.89 1849.5,-96.11 1896.36,-49.25 1986.75,-49.25 2197.04,161.04 LED18.4-DIN@2242.46,161.04
NetLED20_2-DOUT: LED20.2-DOUT LED21.4-DIN | length 938.9
  Bottom Layer w6: LED21.4-DIN@5979.46,647.04 5991.27,647.04 6005.98,661.76 6005.98,690.73 6195.21,879.96 6670.26,879.96 6746.54,803.68 LED20.2-DOUT@6746.54,776.96
NetLED21_2-DOUT: LED21.2-DOUT LED22.4-DIN | length 811.1
  Bottom Layer w6: LED22.4-DIN@5247.46,770.04 5472.62,770.04 5620.34,622.32 5818.97,622.32 5823.07,626.42 5823.07,752.24 5798.35,776.96 LED21.2-DOUT@5786.54,776.96
NetLED22_2-DOUT: LED22.2-DOUT LED23.4-DIN | length 668
  Bottom Layer w6: LED23.4-DIN@4493.46,848.04 4505.27,848.04 4644.19,986.96 4990.26,986.96 5050.54,926.68 5050.54,903.96 LED22.2-DOUT@5054.54,899.96
NetLED23_2-DOUT: LED23.2-DOUT LED24.4-DIN | length 660.8
  Bottom Layer w6: LED24.4-DIN@3739,776 3739,802.72 3813.36,877.08 4091.85,877.08 4192.73,977.96 LED23.2-DOUT@4300.54,977.96
NetLED24_2-DOUT: LED24.2-DOUT LED25.4-DIN | length 673
  Bottom Layer w6: LED25.4-DIN@2984.46,732.04 2996.27,732.04 3042.73,778.5 3126.71,778.5 3174.21,731 3258.19,731 3433.11,905.92 LED24.2-DOUT@3546.09,905.92
NetLED25_2-DOUT: LED25.2-DOUT LED26.4-DIN | length 2240.8
  Bottom Layer w6: LED26.4-DIN@1482.46,-436.96 1494.27,-436.96 1673.5,-257.73 1673.5,237.5 2309.5,873.5 2514.25,873.5 2611.71,970.96 2705.26,970.96 2787.54,888.68 2787.54,865.96 LED25.2-DOUT@2791.54,861.96
NetLED26_2-DOUT: LED26.2-DOUT LED27.4-DIN | length 570.6
  Bottom Layer w6: LED27.4-DIN@1026.66,-355.2 1026.66,-328.49 1038.85,-316.3 1084.96,-316.3 1202.5,-433.84 1202.5,-442.25 1212.75,-452.5 1221.16,-452.5 1230.34,-461.68 1321.97,-461.68 1326.07,-457.58 1326.07,-331.76 1301.35,-307.04 LED26.2-DOUT@1289.54,-307.04
NetLED27_2-DOUT: LED27.2-DOUT LED34.4-DIN | length 2283.4
  Bottom Layer w6: LED27.2-DOUT@833.74,-225.28 795.22,-225.28 791.7,-221.77 791.7,-177.69 1163.11,193.71 1168.46,193.71 1523.19,548.44 1523.19,767.94 1764.76,1009.51 1855.08,1009.51 2134.61,1289.04 LED34.4-DIN@2251.46,1289.04